# KiCad board pocket-reform-keyboard-kailh-ortho.kicad_pcb
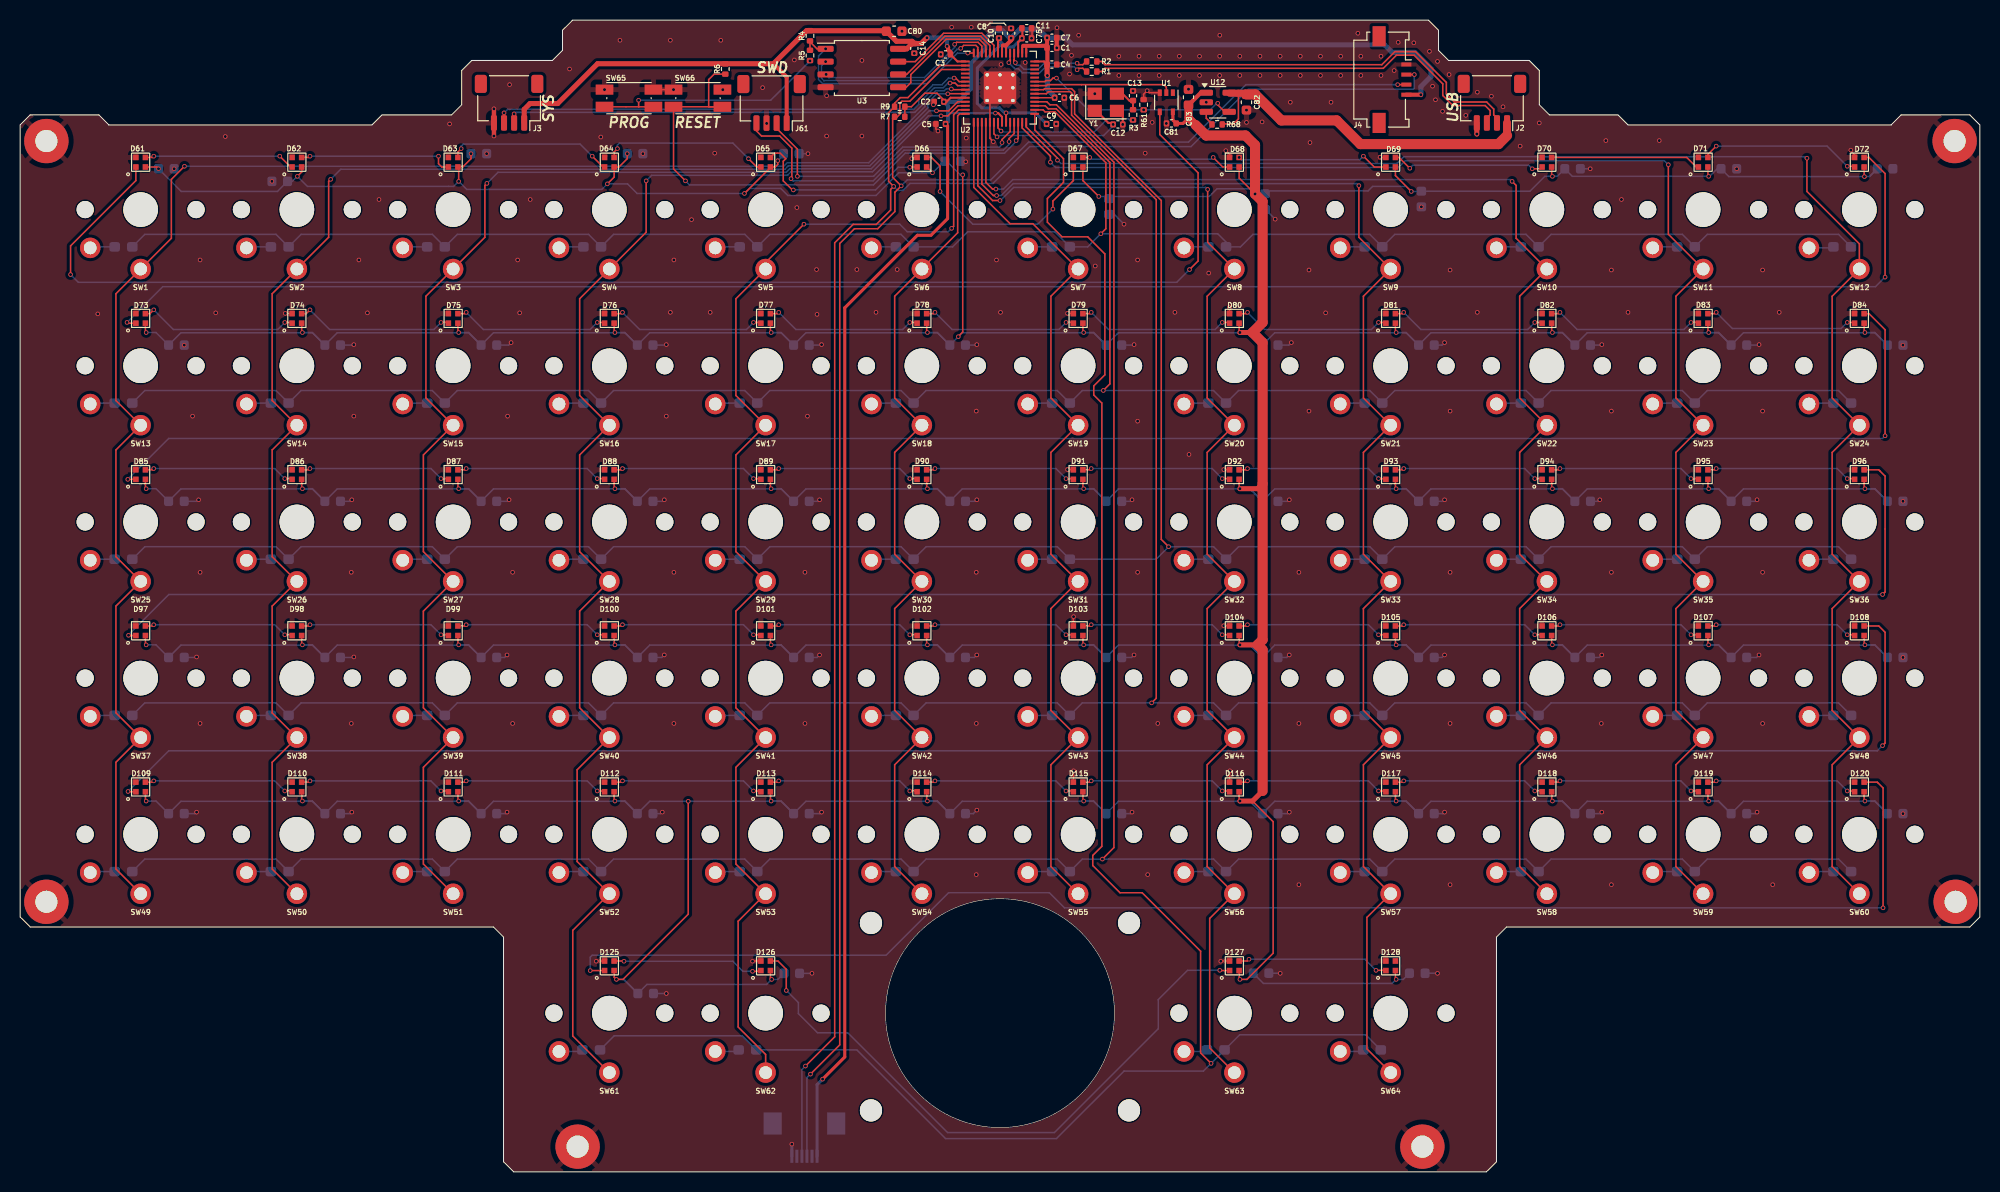
[diagram p0: board, top side]
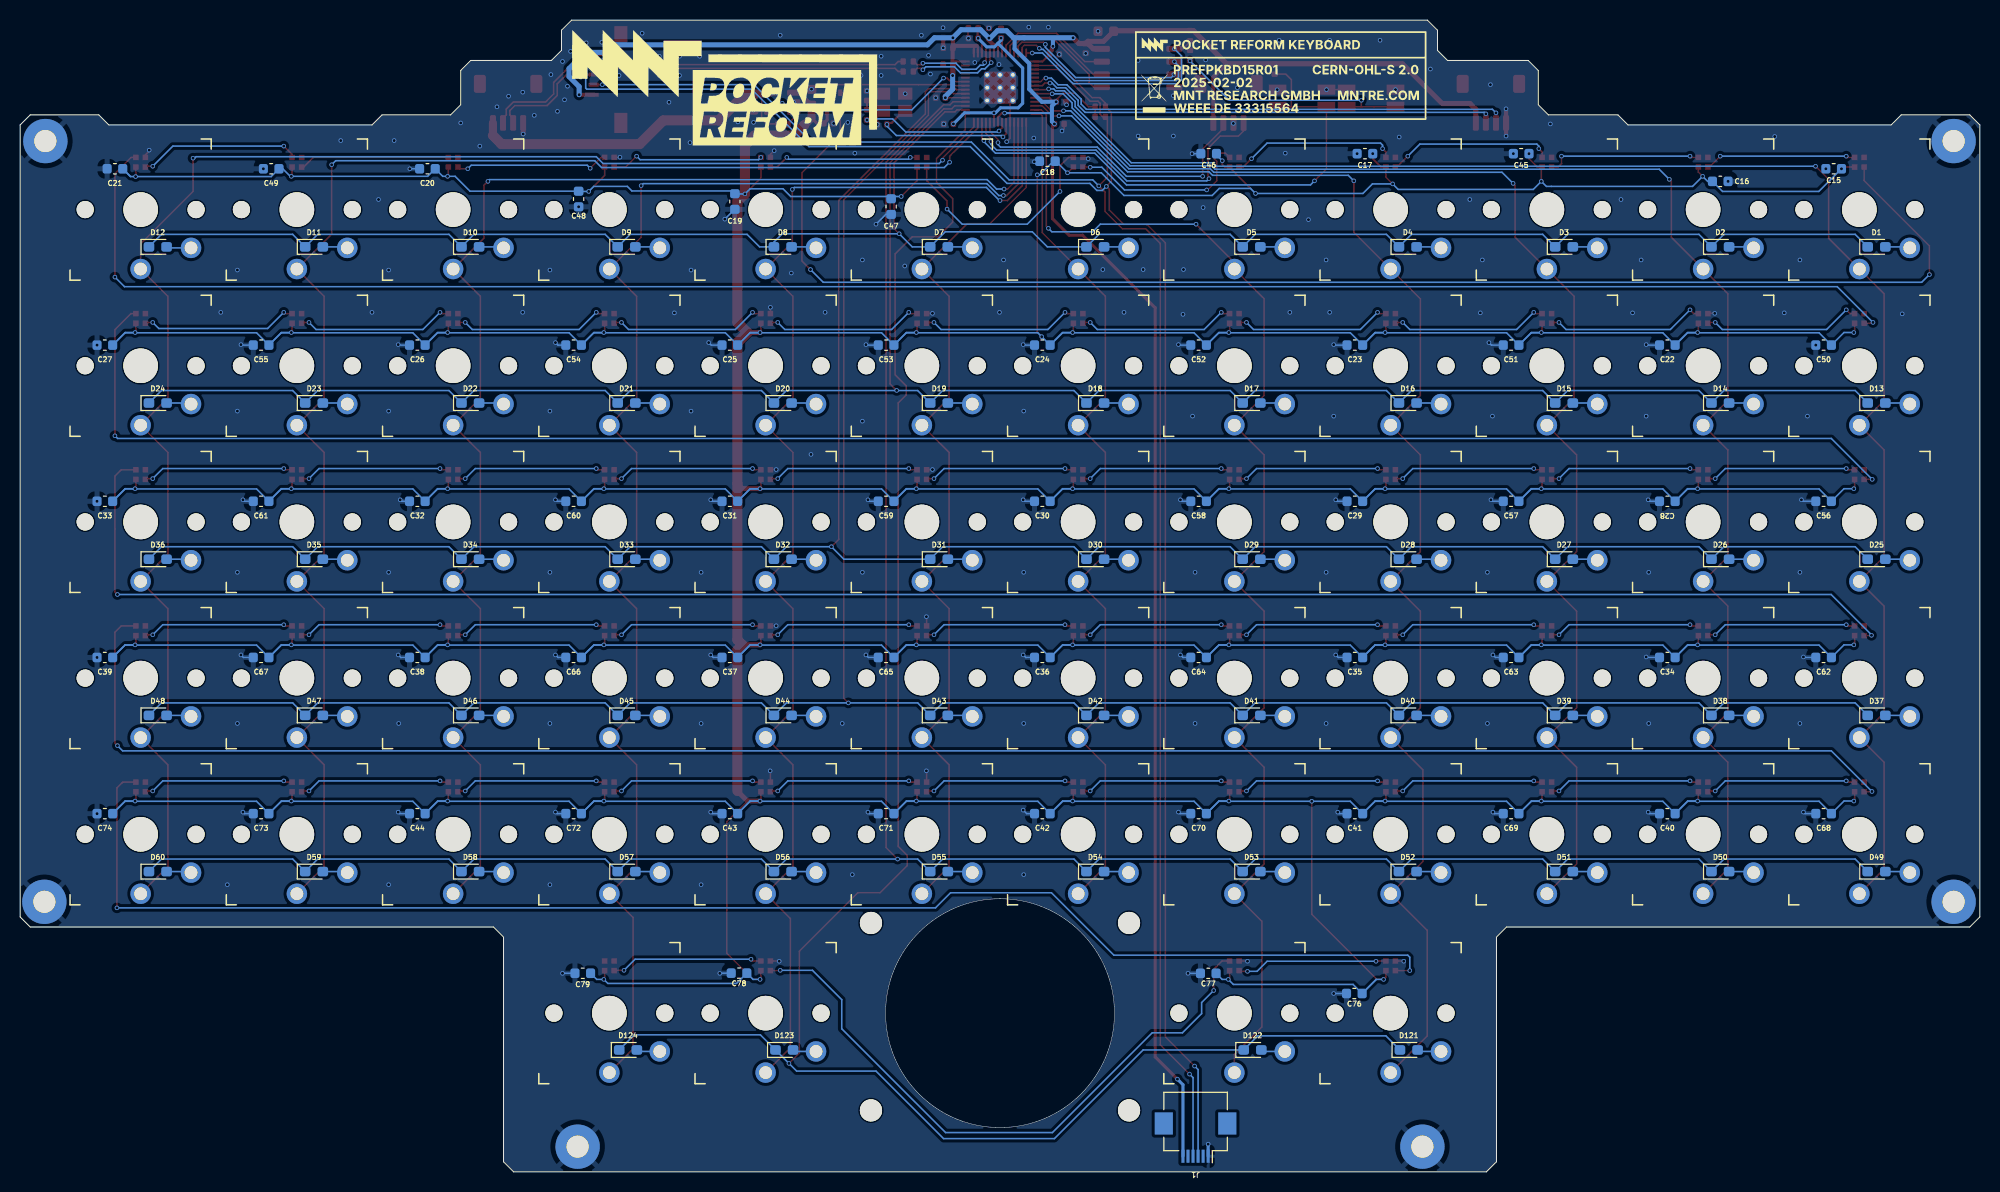
[diagram p1: board, bottom side, seen from below]

Outline 194.4 x 114.3 mm; copper layers: Top, In1.Cu, In2.Cu, Bottom. Coordinates in mm from the lower left corner of the outline.
Outline path: circle c97.2,15.75 r11.36 ; 0,103.9 1,104.9 7.8,104.9 8.8,103.9 34.9,103.9 35.9,104.9 42.8,104.9 43.8,105.9 43.8,109.3 44.8,110.3 52.8,110.3 53.8,111.3 53.8,113.3 54.8,114.3 139.7,114.3 140.7,113.3 140.7,111.3 141.7,110.3 149.7,110.3 150.7,109.3 150.7,105.9 151.7,104.9 158.5,104.9 159.5,103.9 185.6,103.9 186.6,104.9 193.4,104.9 194.4,103.9 194.4,25.3 193.4,24.3 147.45,24.3 146.45,23.3 146.45,1 145.45,0 48.95,0 47.95,1 47.95,23.3 46.95,24.3 1,24.3 0,25.3 0,103.9
Stack: Top 0.035mm / dielectric 0.1mm FR4 er 4.5 / In1.Cu 0.035mm / dielectric 1.24mm FR4 er 4.5 / In2.Cu 0.035mm / dielectric 0.1mm FR4 er 4.5 / Bottom 0.035mm

## Placement (name value [footprint] x y rotation side)
C1  0.1uF  [C_0402_1005Metric]  102.35 111.55 0 top
C2  0.1uF  [C_0402_1005Metric]  91.15 106.2 180 top
C3  0.1uF  [C_0402_1005Metric]  91.8 110.9 180 top
C4  0.1uF  [C_0402_1005Metric]  102.35 109.9 0 top
C5  0.1uF  [C_0402_1005Metric]  91.32 104 180 top
C6  0.1uF  [C_0402_1005Metric]  103.1 106.6 0 top
C7  1uF  [C_0402_1005Metric]  102.35 112.55 0 top
C8  0.1uF  [C_0402_1005Metric]  98.3 113 90 top
C9  0.1uF  [C_0402_1005Metric]  102.3 104 0 top
C10  0.1uF  [C_0402_1005Metric]  97.1 113 90 top
C11  0.1uF  [C_0402_1005Metric]  99.85 113.5 0 top
C12  15pF  [C_0402_1005Metric]  108.9 103.95 0 top
C13  15pF  [C_0402_1005Metric]  110.39 106.8 90 top
C14  0.1uF  [C_0402_1005Metric]  88.7 111.5 270 top
C15  0.1uF  [C_0603_1608Metric]  14.5 99.55 0 bottom
C16  0.1uF  [C_0603_1608Metric]  25.75 98.3 180 bottom
C17  0.1uF  [C_0603_1608Metric]  61 101.05 0 bottom
C18  0.1uF  [C_0603_1608Metric]  92.5 100.3 0 bottom
C19  0.1uF  [C_0603_1608Metric]  123.5 96.3 270 bottom
C20  0.1uF  [C_0603_1608Metric]  154 99.55 0 bottom
C21  0.1uF  [C_0603_1608Metric]  185 99.55 0 bottom
C22  0.1uF  [C_0603_1608Metric]  31 82.05 0 bottom
C23  0.1uF  [C_0603_1608Metric]  62 82.05 0 bottom
C24  0.1uF  [C_0603_1608Metric]  93 82.05 0 bottom
C25  0.1uF  [C_0603_1608Metric]  124 82.05 0 bottom
C26  0.1uF  [C_0603_1608Metric]  155 82.05 0 bottom
C27  0.1uF  [C_0603_1608Metric]  186 82.05 0 bottom
C28  0.1uF  [C_0603_1608Metric]  31 66.55 0 bottom
C29  0.1uF  [C_0603_1608Metric]  62 66.55 0 bottom
C30  0.1uF  [C_0603_1608Metric]  93 66.55 0 bottom
C31  0.1uF  [C_0603_1608Metric]  124 66.55 0 bottom
C32  0.1uF  [C_0603_1608Metric]  155 66.55 0 bottom
C33  0.1uF  [C_0603_1608Metric]  186 66.55 0 bottom
C34  0.1uF  [C_0603_1608Metric]  31 51.05 0 bottom
C35  0.1uF  [C_0603_1608Metric]  62 51.05 0 bottom
C36  0.1uF  [C_0603_1608Metric]  93 51.05 0 bottom
C37  0.1uF  [C_0603_1608Metric]  124 51.05 0 bottom
C38  0.1uF  [C_0603_1608Metric]  155 51.05 0 bottom
C39  0.1uF  [C_0603_1608Metric]  186 51.05 0 bottom
C40  0.1uF  [C_0603_1608Metric]  31 35.55 0 bottom
C41  0.1uF  [C_0603_1608Metric]  62 35.55 0 bottom
C42  0.1uF  [C_0603_1608Metric]  93 35.55 0 bottom
C43  0.1uF  [C_0603_1608Metric]  124 35.55 0 bottom
C44  0.1uF  [C_0603_1608Metric]  155 35.55 0 bottom
C45  0.1uF  [C_0603_1608Metric]  45.5 101.05 0 bottom
C46  0.1uF  [C_0603_1608Metric]  76.5 101.05 0 bottom
C47  0.1uF  [C_0603_1608Metric]  108 95.8 270 bottom
C48  0.1uF  [C_0603_1608Metric]  139 96.55 270 bottom
C49  0.1uF  [C_0603_1608Metric]  169.5 99.55 0 bottom
C50  0.1uF  [C_0603_1608Metric]  15.5 82.05 0 bottom
C51  0.1uF  [C_0603_1608Metric]  46.5 82.05 0 bottom
C52  0.1uF  [C_0603_1608Metric]  77.5 82.05 0 bottom
C53  0.1uF  [C_0603_1608Metric]  108.5 82.05 0 bottom
C54  0.1uF  [C_0603_1608Metric]  139.5 82.05 0 bottom
C55  0.1uF  [C_0603_1608Metric]  170.5 82.05 0 bottom
C56  0.1uF  [C_0603_1608Metric]  15.5 66.55 0 bottom
C57  0.1uF  [C_0603_1608Metric]  46.5 66.55 0 bottom
C58  0.1uF  [C_0603_1608Metric]  77.5 66.55 0 bottom
C59  0.1uF  [C_0603_1608Metric]  108.5 66.55 0 bottom
C60  0.1uF  [C_0603_1608Metric]  139.5 66.55 0 bottom
C61  0.1uF  [C_0603_1608Metric]  170.5 66.55 0 bottom
C62  0.1uF  [C_0603_1608Metric]  15.5 51.05 0 bottom
C63  0.1uF  [C_0603_1608Metric]  46.5 51.05 0 bottom
C64  0.1uF  [C_0603_1608Metric]  77.5 51.05 0 bottom
C65  0.1uF  [C_0603_1608Metric]  108.5 51.05 0 bottom
C66  0.1uF  [C_0603_1608Metric]  139.5 51.05 0 bottom
C67  0.1uF  [C_0603_1608Metric]  170.5 51.05 0 bottom
C68  0.1uF  [C_0603_1608Metric]  15.5 35.55 0 bottom
C69  0.1uF  [C_0603_1608Metric]  46.5 35.55 0 bottom
C70  0.1uF  [C_0603_1608Metric]  77.5 35.55 0 bottom
C71  0.1uF  [C_0603_1608Metric]  108.5 35.55 0 bottom
C72  0.1uF  [C_0603_1608Metric]  139.5 35.55 0 bottom
C73  0.1uF  [C_0603_1608Metric]  170.5 35.55 0 bottom
C74  0.1uF  [C_0603_1608Metric]  186 35.55 0 bottom
C75  1uF  [C_0402_1005Metric]  99.85 112.5 0 top
C76  0.1uF  [C_0603_1608Metric]  62.05 17.7 0 bottom
C77  0.1uF  [C_0603_1608Metric]  76.54 19.7 0 bottom
C78  0.1uF  [C_0603_1608Metric]  123.09 19.72 0 bottom
C79  0.1uF  [C_0603_1608Metric]  138.59 19.71 0 bottom
C80  10uF  [C_0603_1608Metric]  86.7 113.2 0 top
C81  0.1uF  [C_0402_1005Metric]  114.2 104.05 180 top
C82  10uF  [C_0603_1608Metric]  121.65 106.15 270 top
C83  10uF  [C_0603_1608Metric]  115.9 106.65 90 top
D1  MMDL914T1G  [D_0603_1608Metric_Pad1.05x0.95mm_HandSolder]  10.25 91.8 180 bottom
D2  MMDL914T1G  [D_0603_1608Metric_Pad1.05x0.95mm_HandSolder]  25.75 91.8 180 bottom
D3  MMDL914T1G  [D_0603_1608Metric_Pad1.05x0.95mm_HandSolder]  41.25 91.8 180 bottom
D4  MMDL914T1G  [D_0603_1608Metric_Pad1.05x0.95mm_HandSolder]  56.75 91.8 180 bottom
D5  MMDL914T1G  [D_0603_1608Metric_Pad1.05x0.95mm_HandSolder]  72.25 91.8 180 bottom
D6  MMDL914T1G  [D_0603_1608Metric_Pad1.05x0.95mm_HandSolder]  87.75 91.8 180 bottom
D7  MMDL914T1G  [D_0603_1608Metric_Pad1.05x0.95mm_HandSolder]  103.25 91.8 180 bottom
D8  MMDL914T1G  [D_0603_1608Metric_Pad1.05x0.95mm_HandSolder]  118.75 91.8 180 bottom
D9  MMDL914T1G  [D_0603_1608Metric_Pad1.05x0.95mm_HandSolder]  134.25 91.8 180 bottom
D10  MMDL914T1G  [D_0603_1608Metric_Pad1.05x0.95mm_HandSolder]  149.75 91.8 180 bottom
D11  MMDL914T1G  [D_0603_1608Metric_Pad1.05x0.95mm_HandSolder]  165.25 91.8 180 bottom
D12  MMDL914T1G  [D_0603_1608Metric_Pad1.05x0.95mm_HandSolder]  180.75 91.8 180 bottom
D13  MMDL914T1G  [D_0603_1608Metric_Pad1.05x0.95mm_HandSolder]  10.25 76.3 180 bottom
D14  MMDL914T1G  [D_0603_1608Metric_Pad1.05x0.95mm_HandSolder]  25.75 76.3 180 bottom
D15  MMDL914T1G  [D_0603_1608Metric_Pad1.05x0.95mm_HandSolder]  41.25 76.3 180 bottom
D16  MMDL914T1G  [D_0603_1608Metric_Pad1.05x0.95mm_HandSolder]  56.75 76.3 180 bottom
D17  MMDL914T1G  [D_0603_1608Metric_Pad1.05x0.95mm_HandSolder]  72.25 76.3 180 bottom
D18  MMDL914T1G  [D_0603_1608Metric_Pad1.05x0.95mm_HandSolder]  87.75 76.3 180 bottom
D19  MMDL914T1G  [D_0603_1608Metric_Pad1.05x0.95mm_HandSolder]  103.25 76.3 180 bottom
D20  MMDL914T1G  [D_0603_1608Metric_Pad1.05x0.95mm_HandSolder]  118.75 76.3 180 bottom
D21  MMDL914T1G  [D_0603_1608Metric_Pad1.05x0.95mm_HandSolder]  134.25 76.3 180 bottom
D22  MMDL914T1G  [D_0603_1608Metric_Pad1.05x0.95mm_HandSolder]  149.75 76.3 180 bottom
D23  MMDL914T1G  [D_0603_1608Metric_Pad1.05x0.95mm_HandSolder]  165.25 76.3 180 bottom
D24  MMDL914T1G  [D_0603_1608Metric_Pad1.05x0.95mm_HandSolder]  180.75 76.3 180 bottom
D25  MMDL914T1G  [D_0603_1608Metric_Pad1.05x0.95mm_HandSolder]  10.25 60.8 180 bottom
D26  MMDL914T1G  [D_0603_1608Metric_Pad1.05x0.95mm_HandSolder]  25.75 60.8 180 bottom
D27  MMDL914T1G  [D_0603_1608Metric_Pad1.05x0.95mm_HandSolder]  41.25 60.8 180 bottom
D28  MMDL914T1G  [D_0603_1608Metric_Pad1.05x0.95mm_HandSolder]  56.75 60.8 180 bottom
D29  MMDL914T1G  [D_0603_1608Metric_Pad1.05x0.95mm_HandSolder]  72.25 60.8 180 bottom
D30  MMDL914T1G  [D_0603_1608Metric_Pad1.05x0.95mm_HandSolder]  87.75 60.8 180 bottom
D31  MMDL914T1G  [D_0603_1608Metric_Pad1.05x0.95mm_HandSolder]  103.25 60.8 180 bottom
D32  MMDL914T1G  [D_0603_1608Metric_Pad1.05x0.95mm_HandSolder]  118.75 60.8 180 bottom
D33  MMDL914T1G  [D_0603_1608Metric_Pad1.05x0.95mm_HandSolder]  134.25 60.8 180 bottom
D34  MMDL914T1G  [D_0603_1608Metric_Pad1.05x0.95mm_HandSolder]  149.75 60.8 180 bottom
D35  MMDL914T1G  [D_0603_1608Metric_Pad1.05x0.95mm_HandSolder]  165.25 60.8 180 bottom
D36  MMDL914T1G  [D_0603_1608Metric_Pad1.05x0.95mm_HandSolder]  180.75 60.8 180 bottom
D37  MMDL914T1G  [D_0603_1608Metric_Pad1.05x0.95mm_HandSolder]  10.25 45.3 180 bottom
D38  MMDL914T1G  [D_0603_1608Metric_Pad1.05x0.95mm_HandSolder]  25.75 45.3 180 bottom
D39  MMDL914T1G  [D_0603_1608Metric_Pad1.05x0.95mm_HandSolder]  41.25 45.3 180 bottom
D40  MMDL914T1G  [D_0603_1608Metric_Pad1.05x0.95mm_HandSolder]  56.75 45.3 180 bottom
D41  MMDL914T1G  [D_0603_1608Metric_Pad1.05x0.95mm_HandSolder]  72.25 45.3 180 bottom
D42  MMDL914T1G  [D_0603_1608Metric_Pad1.05x0.95mm_HandSolder]  87.75 45.3 180 bottom
D43  MMDL914T1G  [D_0603_1608Metric_Pad1.05x0.95mm_HandSolder]  103.25 45.3 180 bottom
D44  MMDL914T1G  [D_0603_1608Metric_Pad1.05x0.95mm_HandSolder]  118.75 45.3 180 bottom
D45  MMDL914T1G  [D_0603_1608Metric_Pad1.05x0.95mm_HandSolder]  134.25 45.3 180 bottom
D46  MMDL914T1G  [D_0603_1608Metric_Pad1.05x0.95mm_HandSolder]  149.75 45.3 180 bottom
D47  MMDL914T1G  [D_0603_1608Metric_Pad1.05x0.95mm_HandSolder]  165.25 45.3 180 bottom
D48  MMDL914T1G  [D_0603_1608Metric_Pad1.05x0.95mm_HandSolder]  180.75 45.3 180 bottom
D49  MMDL914T1G  [D_0603_1608Metric_Pad1.05x0.95mm_HandSolder]  10.25 29.8 180 bottom
D50  MMDL914T1G  [D_0603_1608Metric_Pad1.05x0.95mm_HandSolder]  25.75 29.8 180 bottom
D51  MMDL914T1G  [D_0603_1608Metric_Pad1.05x0.95mm_HandSolder]  41.25 29.8 180 bottom
D52  MMDL914T1G  [D_0603_1608Metric_Pad1.05x0.95mm_HandSolder]  56.75 29.8 180 bottom
D53  MMDL914T1G  [D_0603_1608Metric_Pad1.05x0.95mm_HandSolder]  72.25 29.8 180 bottom
D54  MMDL914T1G  [D_0603_1608Metric_Pad1.05x0.95mm_HandSolder]  87.75 29.8 180 bottom
D55  MMDL914T1G  [D_0603_1608Metric_Pad1.05x0.95mm_HandSolder]  103.25 29.8 180 bottom
D56  MMDL914T1G  [D_0603_1608Metric_Pad1.05x0.95mm_HandSolder]  118.75 29.8 180 bottom
D57  MMDL914T1G  [D_0603_1608Metric_Pad1.05x0.95mm_HandSolder]  134.25 29.8 180 bottom
D58  MMDL914T1G  [D_0603_1608Metric_Pad1.05x0.95mm_HandSolder]  149.75 29.8 180 bottom
D59  MMDL914T1G  [D_0603_1608Metric_Pad1.05x0.95mm_HandSolder]  165.25 29.8 180 bottom
D60  MMDL914T1G  [D_0603_1608Metric_Pad1.05x0.95mm_HandSolder]  180.75 29.8 180 bottom
D61  -  [SK6805-EC15]  11.95 100.2 0 top
D62  -  [SK6805-EC15]  27.45 100.2 0 top
D63  -  [SK6805-EC15]  42.95 100.2 0 top
D64  -  [SK6805-EC15]  58.45 100.2 0 top
D65  -  [SK6805-EC15]  73.95 100.2 0 top
D66  -  [SK6805-EC15]  89.45 100.2 0 top
D67  -  [SK6805-EC15]  104.95 100.2 0 top
D68  -  [SK6805-EC15]  120.45 100.2 0 top
D69  -  [SK6805-EC15]  135.95 100.2 0 top
D70  -  [SK6805-EC15]  151.45 100.2 0 top
D71  -  [SK6805-EC15]  166.95 100.2 0 top
D72  -  [SK6805-EC15]  182.45 100.2 0 top
D73  -  [SK6805-EC15]  11.95 84.7 0 top
D74  -  [SK6805-EC15]  27.45 84.7 0 top
D75  -  [SK6805-EC15]  42.95 84.7 0 top
D76  -  [SK6805-EC15]  58.45 84.7 0 top
D77  -  [SK6805-EC15]  73.95 84.7 0 top
D78  -  [SK6805-EC15]  89.45 84.7 0 top
D79  -  [SK6805-EC15]  104.95 84.7 0 top
D80  -  [SK6805-EC15]  120.45 84.7 0 top
D81  -  [SK6805-EC15]  135.95 84.7 0 top
D82  -  [SK6805-EC15]  151.45 84.7 0 top
D83  -  [SK6805-EC15]  166.95 84.7 0 top
D84  -  [SK6805-EC15]  182.45 84.7 0 top
D85  -  [SK6805-EC15]  11.95 69.2 0 top
D86  -  [SK6805-EC15]  27.45 69.2 0 top
D87  -  [SK6805-EC15]  42.95 69.2 0 top
D88  -  [SK6805-EC15]  58.45 69.2 0 top
D89  -  [SK6805-EC15]  73.95 69.2 0 top
D90  -  [SK6805-EC15]  89.45 69.2 0 top
D91  -  [SK6805-EC15]  104.95 69.2 0 top
D92  -  [SK6805-EC15]  120.45 69.2 0 top
D93  -  [SK6805-EC15]  135.95 69.2 0 top
D94  -  [SK6805-EC15]  151.45 69.2 0 top
D95  -  [SK6805-EC15]  166.95 69.2 0 top
D96  -  [SK6805-EC15]  182.45 69.2 0 top
D97  -  [SK6805-EC15]  11.95 53.7 0 top
D98  -  [SK6805-EC15]  27.45 53.7 0 top
D99  -  [SK6805-EC15]  42.95 53.7 0 top
D100  -  [SK6805-EC15]  58.45 53.7 0 top
D101  -  [SK6805-EC15]  73.95 53.7 0 top
D102  -  [SK6805-EC15]  89.45 53.7 0 top
D103  -  [SK6805-EC15]  104.95 53.7 0 top
D104  -  [SK6805-EC15]  120.45 53.7 0 top
D105  -  [SK6805-EC15]  135.95 53.7 0 top
D106  -  [SK6805-EC15]  151.45 53.7 0 top
D107  -  [SK6805-EC15]  166.95 53.7 0 top
D108  -  [SK6805-EC15]  182.45 53.7 0 top
D109  -  [SK6805-EC15]  11.95 38.2 0 top
D110  -  [SK6805-EC15]  27.45 38.2 0 top
D111  -  [SK6805-EC15]  42.95 38.2 0 top
D112  -  [SK6805-EC15]  58.45 38.2 0 top
D113  -  [SK6805-EC15]  73.95 38.2 0 top
D114  -  [SK6805-EC15]  89.45 38.2 0 top
D115  -  [SK6805-EC15]  104.95 38.2 0 top
D116  -  [SK6805-EC15]  120.45 38.2 0 top
D117  -  [SK6805-EC15]  135.95 38.2 0 top
D118  -  [SK6805-EC15]  151.45 38.2 0 top
D119  -  [SK6805-EC15]  166.95 38.2 0 top
D120  -  [SK6805-EC15]  182.45 38.2 0 top
D121  MMDL914T1G  [D_0603_1608Metric_Pad1.05x0.95mm_HandSolder]  56.65 12.1 180 bottom
D122  MMDL914T1G  [D_0603_1608Metric_Pad1.05x0.95mm_HandSolder]  72.15 12.1 180 bottom
D123  MMDL914T1G  [D_0603_1608Metric_Pad1.05x0.95mm_HandSolder]  118.6 12.1 180 bottom
D124  MMDL914T1G  [D_0603_1608Metric_Pad1.05x0.95mm_HandSolder]  134.1 12.1 180 bottom
D125  -  [SK6805-EC15]  58.45 20.45 0 top
D126  -  [SK6805-EC15]  73.95 20.45 0 top
D127  -  [SK6805-EC15]  120.45 20.45 0 top
D128  -  [SK6805-EC15]  135.95 20.45 0 top
GFX1  MNT  [pocket-reform]  124.15 107.6 180 bottom  (not fitted)
GFX2  MNT  [pref-keyboard15-badge]  69.35 108.8 180 bottom  (not fitted)
H1  MH1  [MountingHole_2.2mm_M2_Pad]  2.6 102.3 0 top  (not fitted)
H2  MH2  [MountingHole_2.2mm_M2_Pad]  191.9 102.3 0 top  (not fitted)
H3  MH3  [MountingHole_2.2mm_M2_Pad]  2.6 26.8 0 top  (not fitted)
H4  MH4  [MountingHole_2.2mm_M2_Pad]  192 26.8 0 top  (not fitted)
H5  MH5  [MountingHole_2.2mm_M2_Pad]  55.3 2.5 0 top  (not fitted)
H6  MH6  [MountingHole_2.2mm_M2_Pad]  139.1 2.5 0 top  (not fitted)
H7  TBH  [MountingHole_2.2mm_M2]  84.4 24.7 0 top  (not fitted)
H8  TBH  [MountingHole_2.2mm_M2]  110 24.7 0 top  (not fitted)
H9  TBH  [MountingHole_2.2mm_M2]  84.4 6.1 0 top  (not fitted)
H10  TBH  [MountingHole_2.2mm_M2]  110 6.1 0 top  (not fitted)
J1  Conn_01x06_Female  [Hirose_FH12-6S-0.5SH_1x06-1MP_P0.50mm_Horizontal]  77.8 3.4 0 bottom
J2  USB  [JST_SH_SM04B-SRSS-TB_1x04-1MP_P1.00mm_Horizontal]  146 106.1 180 top
J3  UART  [JST_SH_SM04B-SRSS-TB_1x04-1MP_P1.00mm_Horizontal]  48.5 106.1 180 top
J4  AUX  [Molex_200528-0040_1x04-1MP_P1.00mm_Horizontal]  136.6 108.4 270 top
J61  UART  [JST_SH_SM04B-SRSS-TB_1x04-1MP_P1.00mm_Horizontal]  74.54 106.08 180 top
R1  27.4  [R_0402_1005Metric]  106.3 109.2 180 top
R2  27.4  [R_0402_1005Metric]  106.3 110.2 0 top
R3  1k  [R_0402_1005Metric]  110.39 104.9 270 top
R4  10k  [R_0402_1005Metric]  78.35 112.75 270 top
R5  1k  [R_0402_1005Metric]  78.35 110.8 90 top
R6  10k  [R_0402_1005Metric]  69.95 109.45 270 top
R7  4.7k  [R_0402_1005Metric]  87.25 104.71 0 top
R9  4.7k  [R_0402_1005Metric]  87.25 105.71 0 top
R61  10k  [R_0402_1005Metric]  111.45 105.91 270 top
R68  10k  [R_0402_1005Metric]  118.74 103.95 0 top
SW1  Choc  [PG1350]  11.95 95.5 0 top
SW2  Choc  [PG1350]  27.45 95.5 0 top
SW3  Choc  [PG1350]  42.95 95.5 0 top
SW4  Choc  [PG1350]  58.45 95.5 0 top
SW5  Choc  [PG1350]  73.95 95.5 0 top
SW6  Choc  [PG1350]  89.45 95.5 0 top
SW7  Choc  [PG1350]  104.95 95.5 0 top
SW8  Choc  [PG1350]  120.45 95.5 0 top
SW9  Choc  [PG1350]  135.95 95.5 0 top
SW10  Choc  [PG1350]  151.45 95.5 0 top
SW11  Choc  [PG1350]  166.95 95.5 0 top
SW12  Choc  [PG1350]  182.45 95.5 0 top
SW13  Choc  [PG1350]  11.95 80 0 top
SW14  Choc  [PG1350]  27.45 80 0 top
SW15  Choc  [PG1350]  42.95 80 0 top
SW16  Choc  [PG1350]  58.45 80 0 top
SW17  Choc  [PG1350]  73.95 80 0 top
SW18  Choc  [PG1350]  89.45 80 0 top
SW19  Choc  [PG1350]  104.95 80 0 top
SW20  Choc  [PG1350]  120.45 80 0 top
SW21  Choc  [PG1350]  135.95 80 0 top
SW22  Choc  [PG1350]  151.45 80 0 top
SW23  Choc  [PG1350]  166.95 80 0 top
SW24  Choc  [PG1350]  182.45 80 0 top
SW25  Choc  [PG1350]  11.95 64.5 0 top
SW26  Choc  [PG1350]  27.45 64.5 0 top
SW27  Choc  [PG1350]  42.95 64.5 0 top
SW28  Choc  [PG1350]  58.45 64.5 0 top
SW29  Choc  [PG1350]  73.95 64.5 0 top
SW30  Choc  [PG1350]  89.45 64.5 0 top
SW31  Choc  [PG1350]  104.95 64.5 0 top
SW32  Choc  [PG1350]  120.45 64.5 0 top
SW33  Choc  [PG1350]  135.95 64.5 0 top
SW34  Choc  [PG1350]  151.45 64.5 0 top
SW35  Choc  [PG1350]  166.95 64.5 0 top
SW36  Choc  [PG1350]  182.45 64.5 0 top
SW37  Choc  [PG1350]  11.95 49 0 top
SW38  Choc  [PG1350]  27.45 49 0 top
SW39  Choc  [PG1350]  42.95 49 0 top
SW40  Choc  [PG1350]  58.45 49 0 top
SW41  Choc  [PG1350]  73.95 49 0 top
SW42  Choc  [PG1350]  89.45 49 0 top
SW43  Choc  [PG1350]  104.95 49 0 top
SW44  Choc  [PG1350]  120.45 49 0 top
SW45  Choc  [PG1350]  135.95 49 0 top
SW46  Choc  [PG1350]  151.45 49 0 top
SW47  Choc  [PG1350]  166.95 49 0 top
SW48  Choc  [PG1350]  182.45 49 0 top
SW49  Choc  [PG1350]  11.95 33.5 0 top
SW50  Choc  [PG1350]  27.45 33.5 0 top
SW51  Choc  [PG1350]  42.95 33.5 0 top
SW52  Choc  [PG1350]  58.45 33.5 0 top
SW53  Choc  [PG1350]  73.95 33.5 0 top
SW54  Choc  [PG1350]  89.45 33.5 0 top
SW55  Choc  [PG1350]  104.95 33.5 0 top
SW56  Choc  [PG1350]  120.45 33.5 0 top
SW57  Choc  [PG1350]  135.95 33.5 0 top
SW58  Choc  [PG1350]  151.45 33.5 0 top
SW59  Choc  [PG1350]  166.95 33.5 0 top
SW60  Choc  [PG1350]  182.45 33.5 0 top
SW61  Choc  [PG1350]  58.45 15.75 0 top
SW62  Choc  [PG1350]  73.95 15.75 0 top
SW63  Choc  [PG1350]  120.45 15.75 0 top
SW64  Choc  [PG1350]  135.95 15.75 0 top
SW65  SW_HWB  [Diptronics-PTLP2]  60.39 106.55 180 top
SW66  SW_RST  [Diptronics-PTLP2]  67.24 106.55 180 top
U1  SN74LV1T34DCK  [SOT-353_SC-70-5]  113.7 106.15 270 top
U2  RP2040  [RP2040-QFN-56]  97.2 107.6 0 top
U3  W25Q32JVSS  [SOIC-8_5.23x5.23mm_P1.27mm]  83.5 109.55 0 top
U12  AP22815A  [SOT-23-5]  118.8 106.15 0 top
Y1  12MHz 12pF  [Crystal_SMD_3225-4Pin_3.2x2.5mm]  107.7 106.15 0 top

## Library data of the parts
C1-C6 C8-C11 C14 C81 = -: Manufacturer: Samsung; Manufacturer_No: CL05B104KO5NNNC; LCSC: C1525; ki_fp_filters: C_*
C7 C75 = -: Manufacturer: Samsung; Manufacturer_No: CL05A105KA5NQNC; LCSC: C52923; ki_fp_filters: C_*
C12 C13 = -: Manufacturer: Murata; Manufacturer_No: GRM1555C1H150FA01D; LCSC: C161530; ki_fp_filters: C_*
C15-C74 C76-C79 = -: LCSC: C14663; Manufacturer: Yageo; Manufacturer_No: CC0603JPX7R9BB104; ki_fp_filters: C_*
C80 C82 C83 = -: Description: Unpolarized capacitor, small symbol; LCSC: C19702; Manufacturer: Samsung; Manufacturer_No: CL10A106KP8NNNC; ki_fp_filters: C_*
D1-D60 D121-D124 = -: LCSC: C2128; Manufacturer: Jiangsu Changjing; Manufacturer_No: 1N4148WS; ki_fp_filters: TO-???* *_Diode_* *SingleDiode* D_*
D61-D120 D125-D128 = -: Datasheet: https://www.exp-tech.de/media/pdf/SK6805-EC15-REV-05-EN.pdf; LCSC: C2890035; Manufacturer: OPSCO; ki_fp_filters: LED*SK6805*PLCC*2.4x2.7mm*P1.3mm*
GFX1 GFX2 H7-H10 = -: LCSC: DNP; ki_fp_filters: MountingHole*
H1-H6 = -: LCSC: DNP; ki_fp_filters: MountingHole*Pad*
J1 = -: LCSC: C202118; Manufacturer: Hirose; Manufacturer_No: FH12-6S-0.5SH(55); ki_fp_filters: Connector*:*_1x??_*
J2 J3 = -: LCSC: C160404; Manufacturer: JST; Manufacturer_No: SM04B-SRSS-TB(LF)(SN); ki_fp_filters: Connector*:*_1x??_*
J4 = -: LCSC: C501491; Manufacturer: XFCN; Manufacturer_No: F1002-B-04-20T-R; ki_fp_filters: Connector*:*_1x??_*
J61 = -: Manufacturer: JST; Manufacturer_No: SM04B-SRSS-TB(LF)(SN); LCSC: C160404; ki_fp_filters: Connector*:*_1x??_*
R1 R2 = -: Manufacturer: Uni-Royal; Manufacturer_No: 0402WGF274JTCE; LCSC: C31439; ki_fp_filters: R_*
R3 R5 = -: Manufacturer: Uni-Royal; Manufacturer_No: 0402WGF1001TCE; LCSC: C11702; ki_fp_filters: R_*
R4 R6 R61 R68 = -: Manufacturer: Uni-Royal; Manufacturer_No: 0402WGF1002TCE; LCSC: C25744; ki_fp_filters: R_*
R7 R9 = -: Manufacturer: Uni-Royal; Manufacturer_No: 0402WGF4701TCE; LCSC: C25900; ki_fp_filters: R_*
SW1-SW64 = -: LCSC: C400231; Manufacturer: Kailh; Manufacturer_No: CPG135001D02
SW65 = -: LCSC: C318893; Manufacturer: XKB; Manufacturer_No: TS-1185EC-C-D-B; ki_fp_filters: SW?DIP?x1*
SW66 = -: LCSC: C318893; Manufacturer: XKB; Manufacturer_No: TS-1185EC-C-D-B
U1 = -: Datasheet: https://www.ti.com/lit/ds/symlink/sn74lv1t34.pdf; LCSC: C78541; Manufacturer: Texas Instruments; Manufacturer_No: SN74LV1T34DCKR; ki_fp_filters: SOT?353*
U2 = -: LCSC: C2040; Manufacturer: Raspberry Pi
U3 = -: Datasheet: http://www.winbond.com/resource-files/w25q32jv%20revg%2003272018%20plus.pdf; LCSC: C82344; Manufacturer: Winbond; ki_fp_filters: SOIC*5.23x5.23mm*P1.27mm*
U12 = -: Manufacturer: Diodes, Inc.; Manufacturer_No: AP22815AWT-7; LCSC: C2150007
Y1 = -: LCSC: C20625731; Manufacturer: Abracon; Manufacturer_No: ABM8-272-T3; ki_fp_filters: Crystal*
